# KiCad board Mun.kicad_pcb (continued)
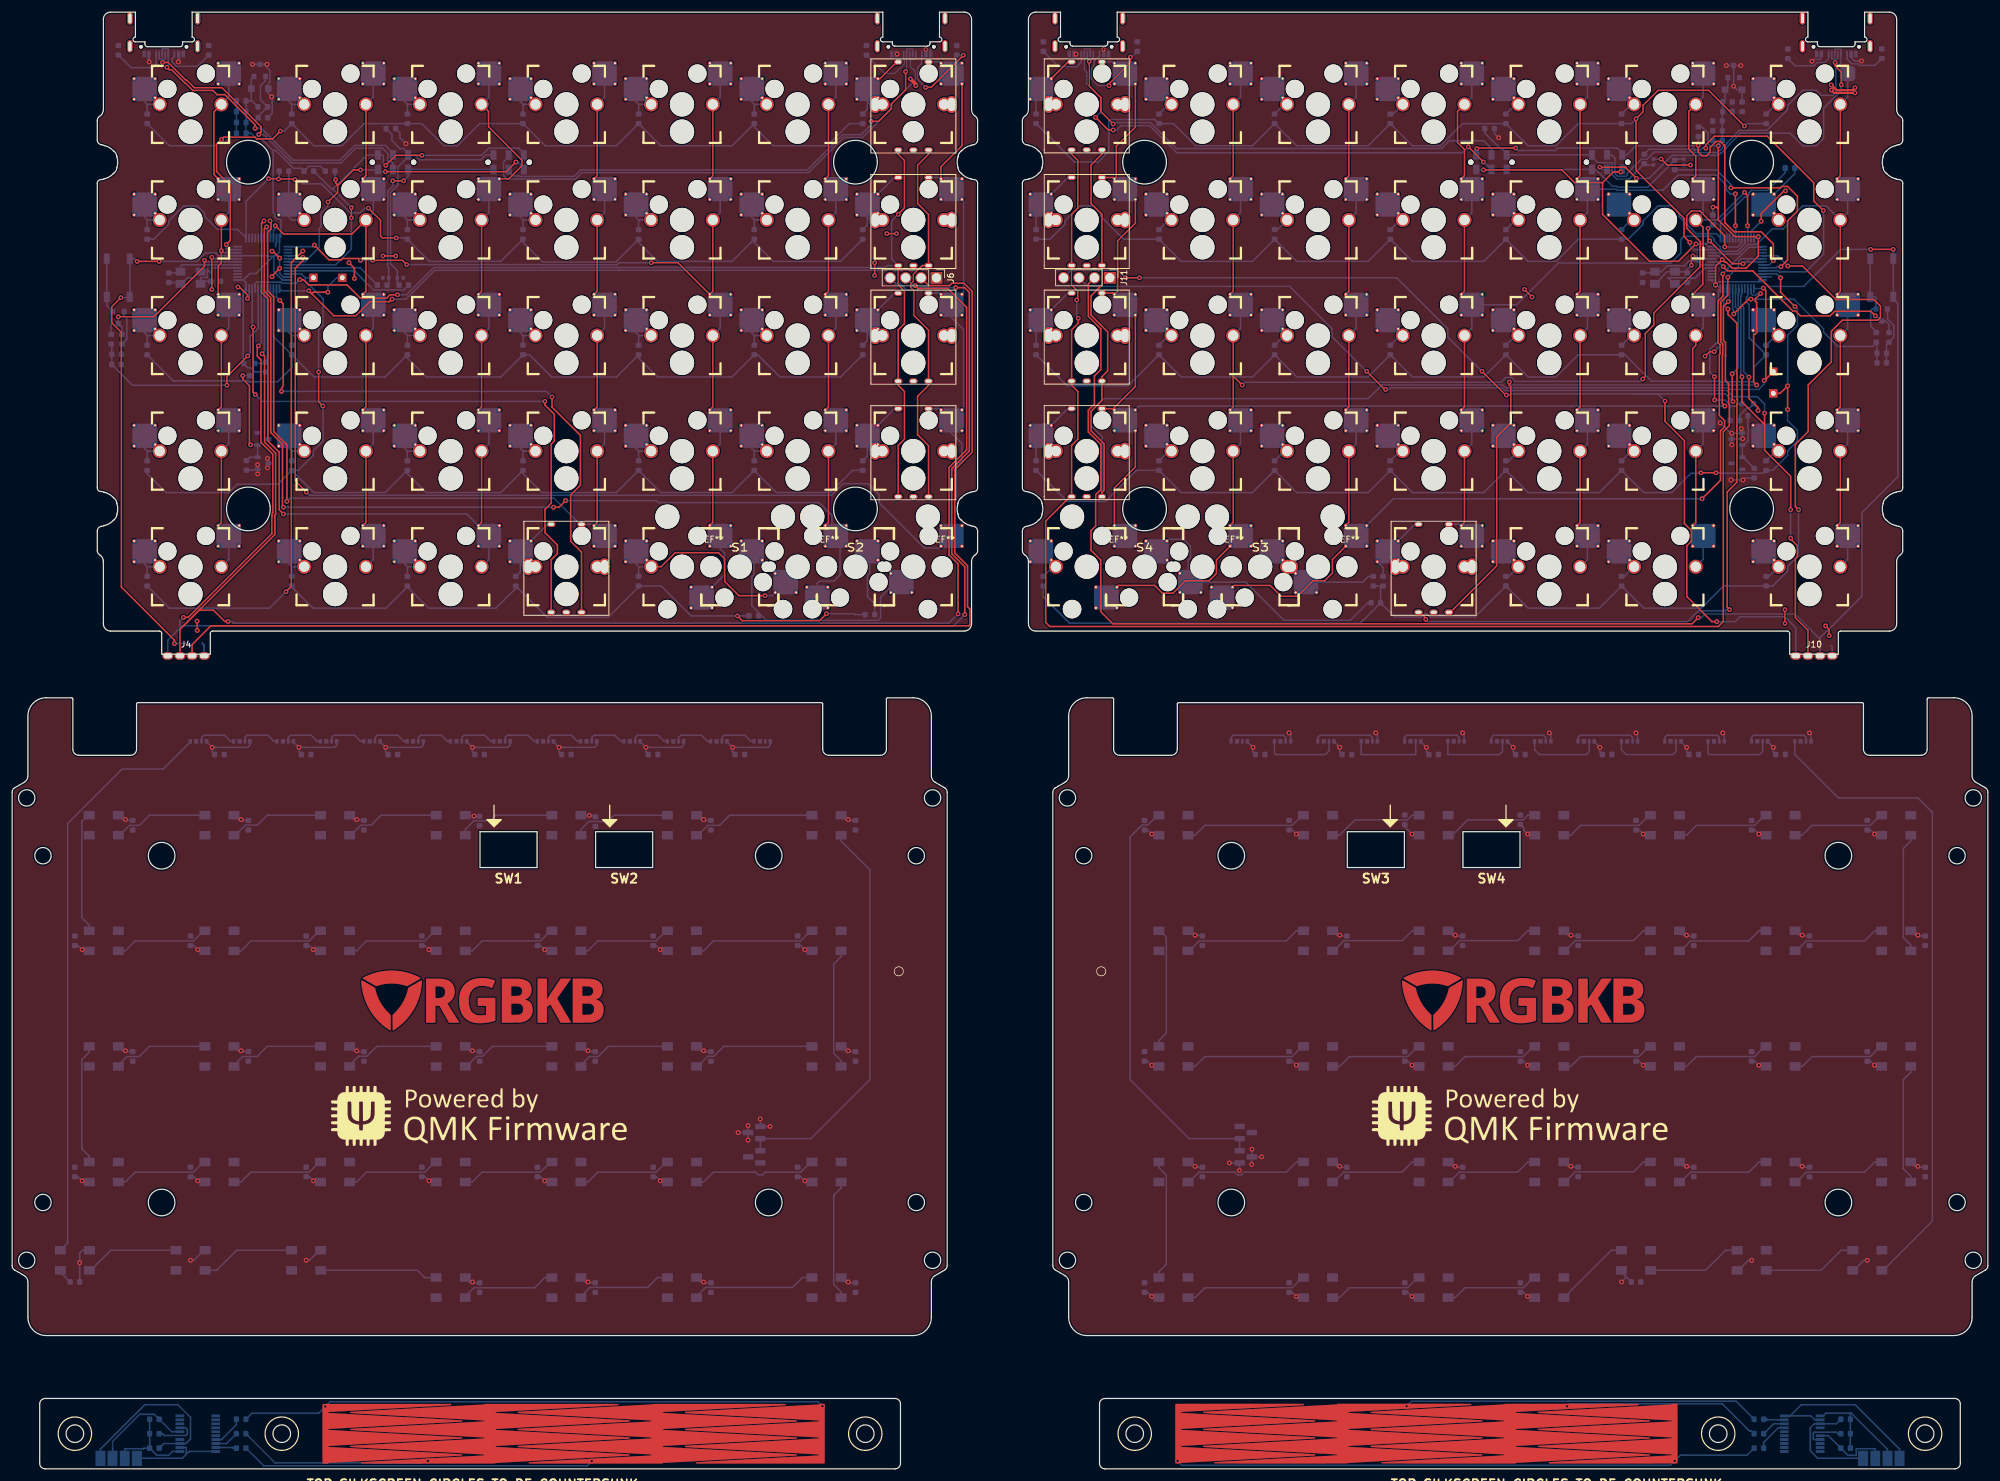
[diagram p0: board, top side]
## Placement (name value [footprint] x y rotation side) (continued)
Q1  DTC123J  [SOT-23]  17.5 189.74 270 bottom
Q2  DTC123J  [SOT-23]  307.99 190.15 270 bottom
Q3  BSS138  [SOT-23]  39.09 181.18 270 bottom
Q4  BSS138  [SOT-23]  285.94 174.55 270 bottom
R1  5.1k  [R_0603_1608Metric]  32.38 233.79 270 bottom
R2  5.1k  [R_0603_1608Metric]  17.5 233.79 90 bottom
R3  5.1k  [R_0603_1608Metric]  155.61 233.79 270 bottom
R4  5.1k  [R_0603_1608Metric]  140.73 233.79 90 bottom
R5  100k  [R_0603_1608Metric]  17.2 182 180 bottom
R6  22  [R_0603_1608Metric]  60.96 195.1 180 bottom
R7  22  [R_0603_1608Metric]  64.53 195.1 0 bottom
R8  5.1k  [R_0603_1608Metric]  185.36 234.4 270 bottom
R9  5.1k  [R_0603_1608Metric]  169.88 234.4 90 bottom
R10  5.1k  [R_0603_1608Metric]  307.99 233.21 270 bottom
R11  5.1k  [R_0603_1608Metric]  292.52 233.21 90 bottom
R12  100k  [R_0603_1608Metric]  307.99 183.88 180 bottom
R13  22  [R_0603_1608Metric]  273.89 214.88 270 bottom
R14  22  [R_0603_1608Metric]  268.89 215.88 90 bottom
R15  4.7kR  [C_0603_1608Metric]  37.72 3.42 0 bottom
R16  4.7kR  [C_0603_1608Metric]  287.75 8.18 180 bottom
R17  4.7kR  [C_0603_1608Metric]  37.72 5.8 0 bottom
R18  4.7kR  [C_0603_1608Metric]  287.75 5.8 180 bottom
R19  4.7kR  [C_0603_1608Metric]  37.72 8.18 0 bottom
R20  4.7kR  [C_0603_1608Metric]  287.75 3.42 180 bottom
R21  4.7kR  [C_0603_1608Metric]  23.43 8.18 180 bottom
R22  4.7kR  [C_0603_1608Metric]  302.04 3.42 0 bottom
R23  4.7kR  [C_0603_1608Metric]  23.43 3.42 180 bottom
R24  4.7kR  [C_0603_1608Metric]  23.43 5.8 0 bottom
R25  4.7kR  [C_0603_1608Metric]  302.04 8.18 0 bottom
R26  4.7kR  [C_0603_1608Metric]  302.04 5.8 180 bottom
R27  4.7kR  [C_0603_1608Metric]  52.39 213.88 180 bottom
R28  4.7kR  [C_0603_1608Metric]  48.89 213.88 180 bottom
R29  1.5k  [R_0603_1608Metric]  62.39 220.88 180 bottom
R30  1.5k  [R_0603_1608Metric]  243.39 220.88 180 bottom
R31  10kR  [C_0603_1608Metric]  41.79 181.58 90 bottom
R32  10kR  [C_0603_1608Metric]  38.59 165.38 90 bottom
R33  10kR  [C_0603_1608Metric]  283.79 172.78 0 bottom
R34  10kR  [C_0603_1608Metric]  286.99 164.1 90 bottom
R35  4.7kR  [C_0603_1608Metric]  280.19 205.83 90 bottom
R36  4.7kR  [C_0603_1608Metric]  277.79 220.38 90 bottom
REF**  -  [MountingHole_3.5mm]  153.21 148.67 0 top
REF**#2  -  [MountingHole_3.5mm]  134.16 148.67 0 top
REF**#3  -  [MountingHole_3.5mm]  115.11 148.67 0 top
REF**#4  -  [MountingHole_3.5mm]  181.79 148.67 0 top
REF**#5  -  [MountingHole_3.5mm]  200.84 148.67 0 top
REF**#6  -  [MountingHole_3.5mm]  219.89 148.67 0 top
S1  2Ustabilizer  [STAB_PCB_200H]  119.87 148.67 180 top
S2  2Ustabilizer  [STAB_PCB_200H]  138.92 148.67 180 top
S3  2Ustabilizer  [STAB_PCB_200H]  205.6 148.68 180 top
S4  2Ustabilizer  [STAB_PCB_200H]  186.55 148.68 180 top
SW1  JS202011JAQN  [DPDT-SM]  81.79 215.34 0 bottom
SW2  JS202011JAQN  [DPDT-SM]  62.74 215.34 0 bottom
SW3  TS5215A  [SW_SPST_TL3342]  17.48 196.3 90 bottom
SW4  TS5215A  [SW_SPST_TL3342]  307.99 196.3 90 bottom
SW5  JS202011JAQN  [DPDT-SM]  262.75 215.35 0 bottom
SW6  JS202011JAQN  [DPDT-SM]  243.7 215.35 0 bottom
U1  MCP1700-3302E_SOT23  [SOT-23]  40.79 230.48 90 bottom
U2  STM32F303CCT6  [LQFP-48_7x7mm_P0.5mm]  41.29 198.68 0 bottom
U3  MCP1700-3302E_SOT23  [SOT-23]  283.59 230.28 90 bottom
U4  STM32F303CCT6  [LQFP-48_7x7mm_P0.5mm]  284.18 198.68 0 bottom
Y1  8MHz  [Crystal_SMD_5032-4Pin_5.0x3.2mm]  29.39 196.3 0 bottom
Y2  8MHz  [Crystal_SMD_5032-4Pin_5.0x3.2mm]  272.27 196.3 0 bottom

## Footprints (pads in the part's own frame, mm; a bottom-side part is the same pattern mirrored in y, then rotated)
00-9188-006pads
  rect 0.9x1.7 smd: 1(-3,-1) 2(-2,1) 3(-1,-1) 4(1,-1) 5(2,1) 6(3,-1)
00-9188-006spring
  rect 0.6x1 smd: 1(-3,-0.85) 2(-2,0.95) 3(-1,-0.85) 4(1,-0.85) 5(2,0.95) 6(3,-0.85)
472861001
  rect 2.5x1.65 smd: 1(-2.04,3) 2(-2.04,1) 3(-2.04,-1) 4(-2.04,-3)
C_0603_1608Metric
  rrect 0.875x0.95 smd: 1(-0.787,0) 2(0.787,0)
Crystal_SMD_5032-4Pin_5.0x3.2mm
  rect 1.6x1.3 smd: 1(-1.65,-1) 2(1.65,-1) 3(1.65,1) 4(-1.65,1)
D_0402_1005Metric
  rrect 0.59x0.64 smd: 1(-0.485,0) 2(0.485,0)
D_0603_1608Metric
  rrect 0.875x0.95 smd: 1(-0.787,0) 2(0.787,0)
D_SOD-123F
  rect 1.1x1.1 smd: 1(-1.4,0) 2(1.4,0)
DPDT-SM
  round 0.9 hole 0.9 unplated: (-3.4,0) (3.4,0)
  rect 1x1.6 smd: 1(-2.5,1.2) 2(0,1.2) 3(2.5,1.2) 4(-2.5,-1.2) 5(0,-1.2) 6(2.5,-1.2)
encoder
  oval 2.8x1.8 hole 2.2x1.2: 0(0,6.3) 0(0,-6.3)
  oval 0.9x1.4 hole 0.5x1: 1(7.5,-2.5) 2(7.5,2.5) 3(7.5,0) 4(-7,2.5) 5(-7,-2.5)
HRO-TYPE-C-31-M-14
  oval 0.9x2.05 hole 0.5x1.65: (-5.575,-4.68) (-5.575,-0.08) (5.575,-4.68) (5.575,-0.08)
  round 0.6 hole 0.6 unplated: (-3.75,0) (3.75,0)
  rect 0.3x1.1 smd: (-1.75,1.2) (1.25,1.2) A1(-3.35,1.2) A5(-1.25,1.2) A6(-0.25,1.2) A7(0.25,1.2) A12(3.35,1.2) B4(2.3,1.2) B5(1.75,1.2) B6(0.75,1.2) B7(-0.75,1.2) B9(-2.3,1.2)
  rect 0.275x1.1 smd: A4(-2.587,1.2) A9(2.587,1.2) B1(3.062,1.2) B12(-3.062,1.2)
Landingpad_Horizontal_1x4
  oval 1.8x1.2 hole 1.4x0.8: 1(-3,-0.4) 2(-1,-0.4) 3(1,-0.4) 4(3,-0.4)
LQFP-48_7x7mm_P0.5mm
  rrect 1.475x0.3 smd: 1(-4.162,2.75) 2(-4.162,2.25) 3(-4.162,1.75) 4(-4.162,1.25) 5(-4.162,0.75) 6(-4.162,0.25) 7(-4.162,-0.25) 8(-4.162,-0.75) 9(-4.162,-1.25) 10(-4.162,-1.75) 11(-4.162,-2.25) 12(-4.162,-2.75) 25(4.162,-2.75) 26(4.162,-2.25) 27(4.162,-1.75) 28(4.162,-1.25) 29(4.162,-0.75) 30(4.162,-0.25) 31(4.162,0.25) 32(4.162,0.75) 33(4.162,1.25) 34(4.162,1.75) 35(4.162,2.25) 36(4.162,2.75)
  rrect 0.3x1.475 smd: 13(-2.75,-4.162) 14(-2.25,-4.162) 15(-1.75,-4.162) 16(-1.25,-4.162) 17(-0.75,-4.162) 18(-0.25,-4.162) 19(0.25,-4.162) 20(0.75,-4.162) 21(1.25,-4.162) 22(1.75,-4.162) 23(2.25,-4.162) 24(2.75,-4.162) 37(2.75,4.162) 38(2.25,4.162) 39(1.75,4.162) 40(1.25,4.162) 41(0.75,4.162) 42(0.25,4.162) 43(-0.25,4.162) 44(-0.75,4.162) 45(-1.25,4.162) 46(-1.75,4.162) 47(-2.25,4.162) 48(-2.75,4.162)
MountingHole_3.5mm
  round 3.5 hole 3.5 unplated: (0,0)
Mx_100_HS
  rrect 2.55x2.5 smd: (-6.29,5.08) (7.56,2.54)
  round 3 hole 3 unplated: (-2.54,5.08) (3.81,2.54)
  round 4 hole 4 unplated: (0,-4.5)
  round 3.988 hole 3.988 unplated: (0,0)
  round 2.302 hole 1.702: 1(5.08,0) 2(-5.08,0)
  round 0.6 hole 0.3: 1(5.832,1.102) 1(5.837,4.242) 1(9.286,0.838) 1(9.286,4.242) 2(-8.016,3.378) 2(-8.016,6.782) 2(-4.567,3.378) 2(-4.567,6.782)
  rrect 4.05x4 smd: 1(7.56,2.54) 2(-6.29,5.08)
Mx_100_HS#6
  rrect 2.55x2.5 smd: (-6.29,5.08) (7.56,2.54)
  round 3 hole 3 unplated: (-2.54,5.08) (3.81,2.54)
  round 3.5 hole 3.5 unplated: (0,-4.5)
  round 3.988 hole 3.988 unplated: (0,0)
  round 2.302 hole 1.702: 1(5.08,0) 2(-5.08,0)
  round 0.6 hole 0.3: 1(5.832,1.102) 1(5.837,4.242) 1(9.286,0.838) 1(9.286,4.242) 2(-8.016,3.378) 2(-8.016,6.782) 2(-4.567,3.378) 2(-4.567,6.782)
  rrect 4.05x4 smd: 1(7.56,2.54) 2(-6.29,5.08)
Mx_100_HS#2
  rrect 2.55x2.5 smd: (-6.29,5.08) (7.56,2.54)
  round 2.302 hole 1.702: (-5.08,0) 1(5.08,0)
  round 3 hole 3 unplated: (-2.54,5.08) (3.81,2.54)
  round 3.5 hole 3.5 unplated: (0,-4.5)
  round 3.988 hole 3.988 unplated: (0,0)
  round 0.6 hole 0.3: 1(5.832,1.102) 1(5.837,4.242) 1(9.286,0.838) 1(9.286,4.242) 2(-8.016,3.378) 2(-8.016,6.782) 2(-4.567,3.378) 2(-4.567,6.782)
  rrect 4.05x4 smd: 1(7.56,2.54) 2(-6.29,5.08)
Mx_100_HS#7
  rrect 2.55x2.5 smd: (-6.29,5.08) (7.56,2.54)
  round 2.302 hole 1.702: (-5.08,0) 1(5.08,0)
  round 3 hole 3 unplated: (-2.54,5.08) (3.81,2.54)
  round 4 hole 4 unplated: (0,-4.5)
  round 3.988 hole 3.988 unplated: (0,0)
  round 0.6 hole 0.3: 1(5.832,1.102) 1(5.837,4.242) 1(9.286,0.838) 1(9.286,4.242) 2(-8.016,3.378) 2(-8.016,6.782) 2(-4.567,3.378) 2(-4.567,6.782)
  rrect 4.05x4 smd: 1(7.56,2.54) 2(-6.29,5.08)
Mx_100_HS#8
  rrect 2.55x2.5 smd: (-6.29,5.08) (7.56,2.54)
  round 1 smd: (-5.08,0) (0,-4.5)
  round 3 hole 3 unplated: (-2.54,5.08) (3.81,2.54)
  round 3.988 hole 3.988 unplated: (0,0)
  round 2.302 hole 1.702: 1(5.08,0)
  round 0.6 hole 0.3: 1(5.832,1.102) 1(5.837,4.242) 1(9.286,0.838) 1(9.286,4.242) 2(-8.016,3.378) 2(-8.016,6.782) 2(-4.567,3.378) 2(-4.567,6.782)
  rrect 4.05x4 smd: 1(7.56,2.54) 2(-6.29,5.08)
Mx_100_HS#3
  rrect 2.55x2.5 smd: (-6.29,5.08) (7.56,2.54)
  round 1 smd: (-5.08,0) (-0.635,-3.8)
  round 3 hole 3 unplated: (-2.54,5.08) (3.81,2.54)
  round 3.988 hole 3.988 unplated: (0,0)
  round 1.702 hole 1.702 unplated: (5.08,0)
  round 0.6 hole 0.3: 1(5.832,1.102) 1(5.837,4.242) 1(9.286,0.838) 1(9.286,4.242) 2(-8.016,3.378) 2(-8.016,6.782) 2(-4.567,3.378) 2(-4.567,6.782)
  rrect 4.05x4 smd: 1(7.56,2.54) 2(-6.29,5.08)
Mx_100_HS#4
  rrect 2.55x2.5 smd: (-6.29,5.08) (7.56,2.54)
  round 1 smd: (-5.08,0) (0,-4.5)
  round 3 hole 3 unplated: (-2.54,5.08) (3.81,2.54)
  round 3.988 hole 3.988 unplated: (0,0)
  round 1.702 hole 1.702 unplated: (5.08,0)
  round 0.6 hole 0.3: 1(5.832,1.102) 1(5.837,4.242) 1(9.286,0.838) 1(9.286,4.242) 2(-8.016,3.378) 2(-8.016,6.782) 2(-4.567,3.378) 2(-4.567,6.782)
  rrect 4.05x4 smd: 1(7.56,2.54) 2(-6.29,5.08)
Mx_100_HS#5
  round 0.6 smd: (-8.016,3.378) (-8.016,6.782) (-4.567,3.378) (-4.567,6.782)
  rrect 4.05x4 smd: (-6.29,5.08) 1(7.56,2.54)
  round 3 hole 3 unplated: (-2.54,5.08) (3.81,2.54)
  round 4 hole 4 unplated: (0,-4.5)
  round 3.988 hole 3.988 unplated: (0,0)
  rrect 2.55x2.5 smd: (7.56,2.54) 2(-6.29,5.08)
  round 2.302 hole 1.702: 1(5.08,0) 2(-5.08,0)
  round 0.6 hole 0.3: 1(5.832,1.102) 1(5.837,4.242) 1(9.286,0.838) 1(9.286,4.242)
PinHeader_1x01_P2.00mm_Vertical
  rect 1.35x1.35 hole 0.8: 1(0,0)
PinHeader_1x04_P2.54mm_Vertical
  rect 1.9x1.9 hole 1.5: 1(0,0)
  round 1.9 hole 1.5: 2(0,-2.54) 3(0,-5.08) 4(0,-7.62)
R_0603_1608Metric
  rrect 0.875x0.95 smd: 1(-0.787,0) 2(0.787,0)
SK6812-SIDE
  rect 0.7x0.75 smd: 1(0.25,-0.197)
  rect 0.45x0.75 smd: 2(-0.624,-0.197)
  rect 0.6x0.75 smd: 3(-1.45,-0.197)
  rect 0.55x0.75 smd: 4(1.225,-0.197)
SOT-23
  rect 0.9x0.8 smd: 1(-1,0.95) 2(-1,-0.95) 3(1,0)
STAB_PCB_200H
  round 3.048 hole 3.048 unplated: (-11.938,6.985) (11.938,6.985)
  round 3.988 hole 3.988 unplated: (-11.938,-8.255) (11.938,-8.255)
SW_SPST_TL3342
  rect 1.7x1 smd: 1(-3.15,1.9) 1(3.15,1.9) 2(-3.15,-1.9) 2(3.15,-1.9)
TSSOP-20_4.4x6.5mm_P0.65mm
  rect 1.45x0.45 smd: (2.95,-0.325) 1(-2.95,2.925) 2(-2.95,2.275) 3(-2.95,1.625) 4(-2.95,0.975) 5(-2.95,0.325) 6(-2.95,-0.325) 7(-2.95,-0.975) 8(-2.95,-1.625) 9(-2.95,-2.275) 10(-2.95,-2.925) 11(2.95,-2.925) 12(2.95,-2.275) 13(2.95,-1.625) 14(2.95,-0.975) 16(2.95,0.325) 17(2.95,0.975) 18(2.95,1.625) 19(2.95,2.275) 20(2.95,2.925)
WS2812B
  rect 1.4x1.8 smd: 1(1.65,2.4) 2(-1.65,2.4) 3(-1.65,-2.4) 4(1.65,-2.4)

## Nets
/3.3VL: C2.2 C3.2 C4.2 C5.2 C6.2 DS4.2 J4.3 J6.2 J15.2 J17.11 Q3.1 R21.2 R23.2 R24.1 R27.2 R28.2 R31.1 SW3.1 U1.2 U2.1 U2.9 U2.24 U2.36 U2.48
/3.3VR: C55.2 C57.2 C58.2 C59.2 C60.2 DS2.2 J10.3 J11.2 J16.2 J18.11 Q4.1 R22.2 R25.2 R26.1 R33.1 R35.2 R36.2 SW4.1 U3.2 U4.1 U4.9 U4.24 U4.36 U4.48
/5VL: C1.2 C11.2 C12.2 C13.2 C14.2 C15.2 C16.2 C17.2 C18.2 C19.2 C20.2 C21.2 C22.2 C23.2 C24.2 C25.2 C26.2 C27.2 C28.2 C29.2 C30.2 C31.2 C32.2 C33.2 C34.2 C35.2 C36.2 C37.2 C38.2 C39.2 C40.2 C41.2 C42.2 C43.2 C44.2 C45.2 C46.2 C47.2 C50.2 C51.2 C52.2 DS4.1 J1.A4 J1.A9 J1.B4 J1.B9 J2.A4 J2.A9 J2.B4 J2.B9 J5.1 J5.2 J7.5 J7.6 LED1.1 LED2.1 LED3.1 LED4.1 LED5.1 LED6.1 LED7.1 LED8.1 LED9.1 LED10.1 LED11.1 LED12.1 LED13.1 LED14.1 LED15.1 LED16.1 LED17.1 LED18.1 LED19.1 LED20.1 LED21.1 LED22.1 LED23.1 LED24.1 LED25.1 LED26.1 LED27.1 LED28.1 LED29.1 LED30.1 LED31.1 LED32.1 LED33.1 LED34.1 LED35.1 LED36.1 LED37.1 LED38.1 LED39.1 LED40.1 LED41.1 LED42.1 LED43.1 LED44.1 LED45.1 LED46.1 LED47.1 LED48.1 LED49.1 R29.1 R32.1 U1.3
/5VR: C54.2 C63.2 C64.2 C65.2 C66.2 C67.2 C68.2 C69.2 C70.2 C71.2 C72.2 C73.2 C74.2 C75.2 C76.2 C77.2 C78.2 C79.2 C80.2 C81.2 C82.2 C83.2 C84.2 C85.2 C86.2 C87.2 C88.2 C89.2 C90.2 C91.2 C92.2 C93.2 C94.2 C97.2 C98.2 C99.2 C100.2 C101.2 C102.2 C103.2 C104.2 DS2.1 J8.A4 J8.A9 J8.B4 J8.B9 J9.A4 J9.A9 J9.B4 J9.B9 J12.1 J12.2 J13.5 J13.6 LED50.1 LED51.1 LED52.1 LED53.1 LED54.1 LED55.1 LED56.1 LED57.1 LED58.1 LED59.1 LED60.1 LED61.1 LED62.1 LED63.1 LED64.1 LED65.1 LED66.1 LED67.1 LED68.1 LED69.1 LED70.1 LED71.1 LED72.1 LED73.1 LED74.1 LED75.1 LED76.1 LED77.1 LED78.1 LED79.1 LED80.1 LED81.1 LED82.1 LED83.1 LED84.1 LED85.1 LED86.1 LED87.1 LED88.1 LED89.1 LED90.1 LED91.1 LED92.1 LED93.1 LED94.1 LED95.1 LED96.1 LED97.1 LED98.1 R30.1 R34.1 U3.3
/GNDL: C1.1 C2.1 C3.1 C4.1 C5.1 C6.1 C7.2 C8.2 C9.2 C10.2 C11.1 C12.1 C13.1 C14.1 C15.1 C16.1 C17.1 C18.1 C19.1 C20.1 C21.1 C22.1 C23.1 C24.1 C25.1 C26.1 C27.1 C28.1 C29.1 C30.1 C31.1 C32.1 C33.1 C34.1 C35.1 C36.1 C37.1 C38.1 C39.1 C40.1 C41.1 C42.1 C43.1 C44.1 C45.1 C46.1 C47.1 C50.1 C51.1 C52.1 DS5.2 DS6.2 E1.3 E2.3 E3.3 E4.3 E5.3 J1.A1 J1.A12 J1.B1 J1.B12 J2.A1 J2.A12 J2.B1 J2.B12 J4.4 J5.5 J5.6 J6.1 J7.1 J7.2 J15.1 J17.10 J17.12 LED1.3 LED2.3 LED3.3 LED4.3 LED5.3 LED6.3 LED7.3 LED8.3 LED9.3 LED10.3 LED11.3 LED12.3 LED13.3 LED14.3 LED15.3 LED16.3 LED17.3 LED18.3 LED19.3 LED20.3 LED21.3 LED22.3 LED23.3 LED24.3 LED25.3 LED26.3 LED27.3 LED28.3 LED29.3 LED30.3 LED31.3 LED32.3 LED33.3 LED34.3 LED35.3 LED36.3 LED37.3 LED38.3 LED39.3 LED40.3 LED41.3 LED42.3 LED43.3 LED44.3 LED45.3 LED46.3 LED47.3 LED48.3 LED49.3 Q1.2 R1.1 R2.2 R3.1 R4.2 R5.1 U1.1 U2.8 U2.23 U2.35 U2.47 Y1.2 Y1.4
/GNDR: C53.2 C54.1 C55.1 C56.2 C57.1 C58.1 C59.1 C60.1 C61.2 C62.2 C63.1 C64.1 C65.1 C66.1 C67.1 C68.1 C69.1 C70.1 C71.1 C72.1 C73.1 C74.1 C75.1 C76.1 C77.1 C78.1 C79.1 C80.1 C81.1 C82.1 C83.1 C84.1 C85.1 C86.1 C87.1 C88.1 C89.1 C90.1 C91.1 C92.1 C93.1 C94.1 C97.1 C98.1 C99.1 C100.1 C101.1 C102.1 C103.1 C104.1 DS7.2 DS8.2 E6.3 E7.3 E8.3 E9.3 E10.3 J8.A1 J8.A12 J8.B1 J8.B12 J9.A1 J9.A12 J9.B1 J9.B12 J10.4 J11.1 J12.5 J12.6 J13.1 J13.2 J16.1 J18.10 J18.12 LED50.3 LED51.3 LED52.3 LED53.3 LED54.3 LED55.3 LED56.3 LED57.3 LED58.3 LED59.3 LED60.3 LED61.3 LED62.3 LED63.3 LED64.3 LED65.3 LED66.3 LED67.3 LED68.3 LED69.3 LED70.3 LED71.3 LED72.3 LED73.3 LED74.3 LED75.3 LED76.3 LED77.3 LED78.3 LED79.3 LED80.3 LED81.3 LED82.3 LED83.3 LED84.3 LED85.3 LED86.3 LED87.3 LED88.3 LED89.3 LED90.3 LED91.3 LED92.3 LED93.3 LED94.3 LED95.3 LED96.3 LED97.3 LED98.3 Q2.2 R8.1 R9.2 R10.1 R11.2 R12.1 U3.1 U4.8 U4.23 U4.35 U4.47 Y2.2 Y2.4
/AB6_LL: J1.A6 J1.B6 SW2.5
/AB6_LR: J8.A6 J8.B6 SW6.5
/AB6_RL: J2.A6 J2.B6 SW1.5
/AB6_RR: J9.A6 J9.B6 SW5.5
/AB7_LL: J1.A7 J1.B7 SW2.2
/AB7_LR: J8.A7 J8.B7 SW6.2
/AB7_RL: J2.A7 J2.B7 SW1.2
/AB7_RR: J9.A7 J9.B7 SW5.2
/col0L: K1.2 K8.2 K15.2 K22.2 K29.2 U2.10
/col0R: K36.2 K43.2 K50.2 K57.2 K64.2 U4.10
/col1L: K2.2 K9.2 K16.2 K23.2 K30.2 U2.22
/col1R: K37.2 K44.2 K51.2 K58.2 K65.2 U4.22
/col2L: K3.2 K10.2 K17.2 K24.2 K31.2 U2.18
/col2R: K38.2 K45.2 K52.2 K59.2 K66.2 U4.18
/col3L: E5.4 K4.2 K11.2 K18.2 K25.2 K32.2 U2.21
/col3R: E10.4 K39.2 K46.2 K53.2 K60.2 K67.2 U4.21
/col4L: K5.2 K12.2 K19.2 K26.2 K33.2 K71.2 U2.25
/col4R: K40.2 K47.2 K54.2 K61.2 K68.2 K73.2 U4.25
/col5L: K6.2 K13.2 K20.2 K27.2 K34.2 K72.2 U2.20
/col5R: K41.2 K48.2 K55.2 K62.2 K69.2 K74.2 U4.20
/col6L: E1.4 E2.4 E3.4 E4.4 K7.2 K14.2 K21.2 K28.2 K35.2 U2.29
/col6R: E6.4 E7.4 E8.4 E9.4 K42.2 K49.2 K56.2 K63.2 K70.2 U4.29
/CS0L: R15.2
/CS0R: R16.2
/CS1L: R17.2
/CS1R: R18.2
/CS2L: R19.2
/CS2R: R20.2
/D+L: DS6.1 R7.1 R29.2 SW1.4 SW2.6
/D+R: DS8.1 R14.1 R30.2 SW5.4 SW6.6
/D-L: DS5.1 R6.1 SW1.1 SW2.3
/D-R: DS7.1 R13.1 SW5.1 SW6.3
/enc_1AL: E1.1 E2.1 E3.1 E4.1 U2.45
/enc_1AR: E6.1 E7.1 E8.1 E9.1 U4.45
/enc_1BL: E1.2 E2.2 E3.2 E4.2 J22.1 U2.37
/enc_1BR: E6.2 E7.2 E8.2 E9.2 J21.1 U4.37
/enc_2AL: E5.1 U2.46
/enc_2AR: E10.1 U4.46
/enc_2BL: E5.2 U2.38
/enc_2BR: E10.2 U4.38
/k7L: D7.2 E1.5 K7.1
/k14L: D14.2 E2.5 K14.1
/k21L: D21.2 E3.5 K21.1
/k28L: D28.2 E4.5 K28.1
/k32L: D32.2 E5.5 K32.1
/k33L: D33.2 K33.1 K71.1
/k34L: D34.2 K34.1 K72.1
/k42R: D42.2 E6.5 K42.1
/k49R: D49.2 E7.5 K49.1
/k56R: D56.2 E8.5 K56.1
/k63R: D63.2 E9.5 K63.1
/k67R: D67.2 E10.5 K67.1
/k68R: D68.2 K68.1 K73.1
/k69R: D69.2 K69.1 K74.1
/PB4L_3.3V: U2.40
/PB4R_3.3V: U4.40
/RGBL_3.3V: Q3.2 R31.2 U2.41
/RGBLI: J7.3 J7.4 LED1.4
/RGBLO: J5.3 J5.4 Q3.3 R32.2
/RGBR_3.3V: Q4.2 R33.2 U4.41
/RGBRI: J13.3 J13.4 LED50.4
/RGBRO: J12.3 J12.4 Q4.3 R34.2
/row0L: D1.1 D2.1 D3.1 D4.1 D5.1 D6.1 D7.1 U2.11
/row0R: D36.1 D37.1 D38.1 D39.1 D40.1 D41.1 D42.1 U4.11
/row1L: D8.1 D9.1 D10.1 D11.1 D12.1 D13.1 D14.1 U2.13
/row1R: D43.1 D44.1 D45.1 D46.1 D47.1 D48.1 D49.1 U4.13
/row2L: D15.1 D16.1 D17.1 D18.1 D19.1 D20.1 D21.1 U2.39
/row2R: D50.1 D51.1 D52.1 D53.1 D54.1 D55.1 D56.1 U4.39
/row3L: D22.1 D23.1 D24.1 D25.1 D26.1 D27.1 D28.1 J20.1 U2.34
/row3R: D57.1 D58.1 D59.1 D60.1 D61.1 D62.1 D63.1 J19.1 U4.34
/row4L: D29.1 D30.1 D31.1 D32.1 D33.1 D34.1 D35.1 U2.28
/row4R: D64.1 D65.1 D66.1 D67.1 D68.1 D69.1 D70.1 U4.28
/SCL1L_3.3V: J4.2 J6.3 U2.42
/SCL1R_3.3V: J10.2 J11.3 U4.42
/SCL2L: R27.1 SW1.3 SW2.1 U2.30
/SCL2R: R35.1 SW5.3 SW6.1 U4.30
/SCL-TBL: J15.3 J17.16 R21.1
/SCL-TBR: J16.3 J18.16 R22.1
/SDA1L_3.3V: J4.1 J6.4 U2.43
/SDA1R_3.3V: J10.1 J11.4 U4.43
/SDA2L: R28.1 SW1.6 SW2.4 U2.31
/SDA2R: R36.1 SW5.6 SW6.4 U4.31
/SDA-TBL: J15.4 J17.13 R23.1
/SDA-TBR: J16.4 J18.13 R25.1
/XTAL1L: C8.1 U2.5 Y1.3
/XTAL1R: C62.1 U4.5 Y2.3
/XTAL2L: C7.1 U2.6 Y1.1
/XTAL2R: C61.1 U4.6 Y2.1
Net-(C9-Pad1): C9.1 Q1.3 U2.7
Net-(C10-Pad1): C10.1 D71.1 R5.2 U2.44
Net-(C53-Pad1): C53.1 Q2.3 U4.7
Net-(C56-Pad1): C56.1 D72.1 R12.2 U4.44
Net-(D1-Pad2): D1.2 K1.1
Net-(D2-Pad2): D2.2 K2.1
Net-(D3-Pad2): D3.2 K3.1
Net-(D4-Pad2): D4.2 K4.1
Net-(D5-Pad2): D5.2 K5.1
Net-(D6-Pad2): D6.2 K6.1
Net-(D8-Pad2): D8.2 K8.1
Net-(D9-Pad2): D9.2 K9.1
Net-(D10-Pad2): D10.2 K10.1
Net-(D11-Pad2): D11.2 K11.1
Net-(D12-Pad2): D12.2 K12.1
Net-(D13-Pad2): D13.2 K13.1
Net-(D15-Pad2): D15.2 K15.1
Net-(D16-Pad2): D16.2 K16.1
Net-(D17-Pad2): D17.2 K17.1
Net-(D18-Pad2): D18.2 K18.1
Net-(D19-Pad2): D19.2 K19.1
Net-(D20-Pad2): D20.2 K20.1
Net-(D22-Pad2): D22.2 K22.1
Net-(D23-Pad2): D23.2 K23.1
Net-(D24-Pad2): D24.2 K24.1
Net-(D25-Pad2): D25.2 K25.1
Net-(D26-Pad2): D26.2 K26.1
Net-(D27-Pad2): D27.2 K27.1
Net-(D29-Pad2): D29.2 K29.1
Net-(D30-Pad2): D30.2 K30.1
Net-(D31-Pad2): D31.2 K31.1
Net-(D35-Pad2): D35.2 K35.1
Net-(D36-Pad2): D36.2 K36.1
Net-(D37-Pad2): D37.2 K37.1
Net-(D38-Pad2): D38.2 K38.1
Net-(D39-Pad2): D39.2 K39.1
Net-(D40-Pad2): D40.2 K40.1
Net-(D41-Pad2): D41.2 K41.1
Net-(D43-Pad2): D43.2 K43.1
Net-(D44-Pad2): D44.2 K44.1
Net-(D45-Pad2): D45.2 K45.1
Net-(D46-Pad2): D46.2 K46.1
Net-(D47-Pad2): D47.2 K47.1
Net-(D48-Pad2): D48.2 K48.1
Net-(D50-Pad2): D50.2 K50.1
Net-(D51-Pad2): D51.2 K51.1
Net-(D52-Pad2): D52.2 K52.1
Net-(D53-Pad2): D53.2 K53.1
Net-(D54-Pad2): D54.2 K54.1
Net-(D55-Pad2): D55.2 K55.1
Net-(D57-Pad2): D57.2 K57.1
Net-(D58-Pad2): D58.2 K58.1
Net-(D59-Pad2): D59.2 K59.1
Net-(D60-Pad2): D60.2 K60.1
Net-(D61-Pad2): D61.2 K61.1
Net-(D62-Pad2): D62.2 K62.1
Net-(D64-Pad2): D64.2 K64.1
Net-(D65-Pad2): D65.2 K65.1
Net-(D66-Pad2): D66.2 K66.1
Net-(D70-Pad2): D70.2 K70.1
Net-(D71-Pad2): D71.2 Q1.1 SW3.2
Net-(D72-Pad2): D72.2 Q2.1 SW4.2
Net-(J1-PadA5): J1.A5 R2.1
Net-(J1-PadB5): J1.B5 R1.2
Net-(J2-PadA5): J2.A5 R4.1
Net-(J2-PadB5): J2.B5 R3.2
Net-(J8-PadA5): J8.A5 R9.1
Net-(J8-PadB5): J8.B5 R8.2
Net-(J9-PadA5): J9.A5 R11.1
Net-(J9-PadB5): J9.B5 R10.2
Net-(J17-Pad1): J17.1
Net-(J17-Pad2): J17.2
Net-(J17-Pad3): J17.3
Net-(J17-Pad4): J17.4
Net-(J17-Pad5): J17.5
Net-(J17-Pad6): J17.6
Net-(J17-Pad7): J17.7 R19.1
Net-(J17-Pad8): J17.8 R17.1
Net-(J17-Pad9): J17.9 R15.1
Net-(J17-Pad14): J17.14
Net-(J17-Pad17): J17.17 R24.2
Net-(J17-Pad18): J17.18
Net-(J17-Pad19): J17.19
Net-(J17-Pad20): J17.20
Net-(J18-Pad1): J18.1
Net-(J18-Pad2): J18.2
Net-(J18-Pad3): J18.3
Net-(J18-Pad4): J18.4
Net-(J18-Pad5): J18.5
Net-(J18-Pad6): J18.6
Net-(J18-Pad7): J18.7 R20.1
Net-(J18-Pad8): J18.8 R18.1
Net-(J18-Pad9): J18.9 R16.1
Net-(J18-Pad14): J18.14
Net-(J18-Pad17): J18.17 R26.2
Net-(J18-Pad18): J18.18
Net-(J18-Pad19): J18.19
Net-(J18-Pad20): J18.20
Net-(LED1-Pad2): LED1.2 LED2.4
Net-(LED2-Pad2): LED2.2 LED3.4
Net-(LED3-Pad2): LED3.2 LED4.4
Net-(LED4-Pad2): LED4.2 LED5.4
Net-(LED5-Pad2): LED5.2 LED6.4
Net-(LED6-Pad2): LED6.2 LED7.4
Net-(LED7-Pad2): LED7.2 LED8.4
Net-(LED8-Pad2): LED8.2 LED9.4
Net-(LED10-Pad2): LED10.2 LED11.4
Net-(LED10-Pad4): LED9.2 LED10.4
Net-(LED11-Pad2): LED11.2 LED12.4
Net-(LED12-Pad2): LED12.2 LED13.4
Net-(LED13-Pad2): LED13.2 LED14.4
Net-(LED14-Pad2): LED14.2 LED15.4
Net-(LED15-Pad2): LED15.2 LED16.4
Net-(LED16-Pad2): LED16.2 LED17.4
Net-(LED17-Pad2): LED17.2 LED18.4
Net-(LED18-Pad2): LED18.2 LED19.4
Net-(LED19-Pad2): LED19.2 LED20.4
Net-(LED20-Pad2): LED20.2 LED21.4
Net-(LED21-Pad2): LED21.2 LED22.4
Net-(LED22-Pad2): LED22.2 LED23.4
Net-(LED23-Pad2): LED23.2 LED24.4
Net-(LED24-Pad2): LED24.2 LED25.4
Net-(LED25-Pad2): LED25.2 LED26.4
Net-(LED26-Pad2): LED26.2 LED27.4
Net-(LED27-Pad2): LED27.2 LED28.4
Net-(LED28-Pad2): LED28.2 LED29.4
Net-(LED29-Pad2): LED29.2 LED30.4
Net-(LED30-Pad2): LED30.2 LED31.4
Net-(LED31-Pad2): LED31.2 LED32.4
Net-(LED32-Pad2): LED32.2 LED33.4
Net-(LED33-Pad2): LED33.2 LED34.4
Net-(LED34-Pad2): LED34.2 LED35.4
Net-(LED35-Pad2): LED35.2 LED36.4
Net-(LED36-Pad2): LED36.2 LED37.4
Net-(LED37-Pad2): LED37.2 LED38.4
Net-(LED38-Pad2): LED38.2 LED39.4
Net-(LED39-Pad2): LED39.2 LED40.4
Net-(LED40-Pad2): LED40.2 LED41.4
Net-(LED41-Pad2): LED41.2 LED42.4
Net-(LED42-Pad2): LED42.2 LED43.4
Net-(LED43-Pad2): LED43.2 LED44.4
Net-(LED44-Pad2): LED44.2 LED45.4
Net-(LED45-Pad2): LED45.2 LED46.4
Net-(LED46-Pad2): LED46.2 LED47.4
Net-(LED47-Pad2): LED47.2 LED48.4
Net-(LED48-Pad2): LED48.2 LED49.4
Net-(LED49-Pad2): LED49.2
Net-(LED50-Pad2): LED50.2 LED51.4
Net-(LED51-Pad2): LED51.2 LED52.4
Net-(LED52-Pad2): LED52.2 LED53.4
Net-(LED53-Pad2): LED53.2 LED54.4
Net-(LED54-Pad2): LED54.2 LED55.4
Net-(LED55-Pad2): LED55.2 LED56.4
Net-(LED56-Pad2): LED56.2 LED57.4
Net-(LED57-Pad2): LED57.2 LED58.4
Net-(LED58-Pad2): LED58.2 LED59.4
Net-(LED59-Pad2): LED59.2 LED60.4
Net-(LED60-Pad2): LED60.2 LED61.4
Net-(LED61-Pad2): LED61.2 LED62.4
Net-(LED62-Pad2): LED62.2 LED63.4
Net-(LED63-Pad2): LED63.2 LED64.4
Net-(LED64-Pad2): LED64.2 LED65.4
Net-(LED65-Pad2): LED65.2 LED66.4
Net-(LED66-Pad2): LED66.2 LED67.4
Net-(LED67-Pad2): LED67.2 LED68.4
Net-(LED68-Pad2): LED68.2 LED69.4
Net-(LED69-Pad2): LED69.2 LED70.4
Net-(LED70-Pad2): LED70.2 LED71.4
Net-(LED71-Pad2): LED71.2 LED72.4
Net-(LED72-Pad2): LED72.2 LED73.4
Net-(LED73-Pad2): LED73.2 LED74.4
Net-(LED74-Pad2): LED74.2 LED75.4
Net-(LED75-Pad2): LED75.2 LED76.4
Net-(LED76-Pad2): LED76.2 LED77.4
Net-(LED77-Pad2): LED77.2 LED78.4
Net-(LED78-Pad2): LED78.2 LED79.4
Net-(LED79-Pad2): LED79.2 LED80.4
Net-(LED80-Pad2): LED80.2 LED81.4
Net-(LED81-Pad2): LED81.2 LED82.4
Net-(LED82-Pad2): LED82.2 LED83.4
Net-(LED83-Pad2): LED83.2 LED84.4
Net-(LED84-Pad2): LED84.2 LED85.4
Net-(LED85-Pad2): LED85.2 LED86.4
Net-(LED86-Pad2): LED86.2 LED87.4
Net-(LED87-Pad2): LED87.2 LED88.4
Net-(LED88-Pad2): LED88.2 LED89.4
Net-(LED89-Pad2): LED89.2 LED90.4
Net-(LED90-Pad2): LED90.2 LED91.4
Net-(LED91-Pad2): LED91.2 LED92.4
Net-(LED92-Pad2): LED92.2 LED93.4
Net-(LED93-Pad2): LED93.2 LED94.4
Net-(LED94-Pad2): LED94.2 LED95.4
Net-(LED95-Pad2): LED95.2 LED96.4
Net-(LED96-Pad2): LED96.2 LED97.4
Net-(LED97-Pad2): LED97.2 LED98.4
Net-(LED98-Pad2): LED98.2
Net-(R6-Pad2): R6.2 U2.32
Net-(R7-Pad2): R7.2 U2.33
Net-(R13-Pad2): R13.2 U4.32
Net-(R14-Pad2): R14.2 U4.33
Net-(U2-Pad2): U2.2
Net-(U2-Pad3): U2.3
Net-(U2-Pad4): U2.4
Net-(U2-Pad12): U2.12
Net-(U2-Pad14): U2.14
Net-(U2-Pad15): U2.15
Net-(U2-Pad16): U2.16
Net-(U2-Pad17): U2.17
Net-(U2-Pad19): U2.19
Net-(U2-Pad26): U2.26
Net-(U2-Pad27): U2.27
Net-(U4-Pad2): U4.2
Net-(U4-Pad3): U4.3
Net-(U4-Pad4): U4.4
Net-(U4-Pad12): U4.12
Net-(U4-Pad14): U4.14
Net-(U4-Pad15): U4.15
Net-(U4-Pad16): U4.16
Net-(U4-Pad17): U4.17
Net-(U4-Pad19): U4.19
Net-(U4-Pad26): U4.26
Net-(U4-Pad27): U4.27

Pads without a net: E1 0; E2 0; E3 0; E4 0; E5 0; E6 0; E7 0; E8 0; E9 0; E10 0

## Via types
v1: diameter 0.8, hole 0.4, Top to Bottom, 344 vias
v2: diameter 0.7, hole 0.4, Top to Bottom, 2 vias

## Routing (per net, layer and track width the routed paths; a pad name or vN(x,y) marks a point on that pad's centre or on a via; arc(x,y) is an arc through that point)
/3.3VL: length 393.1
  Top w0.25: v1(17.91,193.03) 16.41,191.53 16.41,188.88 17.99,187.29 17.99,145.33 26.74,136.59 v1(26.74,136.03) ; v1(24.21,199) v1(20.59,199) ; J6.2 151.01,195.01 154.42,195.01 154.81,195.4 156.81,195.4 158.16,194.05 158.16,167.55 155.29,164.68 155.29,150.94 157.39,148.84 157.39,142.08 157.79,141.69 157.79,139.08 157.65,138.94 32.76,138.94 32.75,138.95 29.64,135.84 29.64,133.48
  Bottom w0.25: 21.63,3.32 18.62,3.32 18.55,3.24 J15.2 ; 21.63,3.32 21.73,3.42 R23.2 ; 21.63,3.32 21.65,3.32 ; R31.1 39.99,180.79 39.3,181.48 38.79,181.48 38.14,182.13 Q3.1 38.14,182.88 38.06,182.95 38.06,192.53 ; U1.2 39.39,229.03 DS4.2 39.39,225.59 39.52,225.46 ; U2.1 38.09,195.93 ; 38.09,195.93 38.54,195.48 U2.48 38.06,194.04 38.06,192.53 ; 38.09,195.93 39.16,197 40.16,197 43.09,199.93 ; 42.99,217.27 42.99,207.08 43.29,206.77 43.29,206.36 43.61,206.04 44.02,206.04 44.29,205.78 44.29,203.09 U2.24 44.04,200.56 43.41,199.93 43.09,199.93 ; 42.99,217.27 41.07,219.18 40.28,219.18 39.36,220.1 C5.2 C6.2 C4.2 C3.2 39.52,225.46 ; 42.99,217.27 43.42,217.27 46.36,214.34 47.64,214.34 R28.2 48.9,214.68 50.8,214.68 R27.2 ; 43.09,199.93 43.09,197.36 44.44,196.01 44.54,196.01 44.62,195.93 U2.36 ; 43.09,199.93 43.01,199.85 42.24,199.85 42.16,199.93 U2.9 34.03,199.93 33.56,200.4 31.84,200.4 30.44,199 v1(24.21,199) ; 39.52,225.46 C2.2 ; R23.2 23.84,2.23 25.79,2.23 26.44,2.87 J17.11 ; R23.2 R21.2 ; v1(26.74,136.03) 28.94,136.03 29.64,135.32 29.64,133.48 ; v1(17.91,193.03) 19.26,193.03 SW3.1 ; 38.06,192.53 38.08,192.51 ; 19.4,193.14 19.4,199.44 20.15,199.44 v1(20.59,199)
/3.3VR: length 396.1
  Top w0.25: v1(309.89,200.98) v1(306.19,200.98) ; v1(281.06,218.05) 281.06,207.7 ; 281.06,207.7 281.06,205.81 283.8,203.07 v1(287.66,203.07) 287.66,199.9 285.64,197.88 283.36,197.88 282.36,198.88 282.11,198.88 v1(281.71,199.28) 280.61,198.18 v1(280.61,195.11) ; 281.06,207.7 280.97,207.7 280.75,207.93 v1(280.19,207.93) ; J11.2 177.29,195.29 177.29,189.94 179.35,187.88 179.35,181.16 178.29,180.1 178.29,175.48 177.29,174.47 177.29,170.89 179.35,168.83 179.35,161.4 178.5,160.55 178.5,155.39 177.74,154.63 177.74,151.39 179.34,149.79 179.34,141.27 181.34,139.28 276.74,139.28 v1(277.76,140.3) ; v1(280.44,180) 280.44,176.18 v1(280.46,176.15)
  Bottom w0.25: 302.97,9.2 302.83,9.06 R25.2 R22.2 ; 302.97,9.2 298.82,9.2 298.35,8.72 J18.11 ; 302.97,9.2 308.93,3.24 J16.2 ; v1(280.44,180) 279.66,180.78 279.66,184.47 281.09,185.9 281.09,194.17 U4.48 280.84,195.11 v1(280.61,195.11) ; v1(309.89,200.98) 309.89,200.97 SW4.1 SW4.1 309.89,192.8 310.64,192.05 310.64,163.5 304.73,157.59 304.73,143.82 299.01,138.1 298.94,138.1 297.83,136.99 297.83,135.25 ; U3.2 282.64,227.73 DS2.2 282.19,225.66 C57.2 C60.2 281.72,223.6 C59.2 C58.2 C55.2 281.06,218.27 v1(281.06,218.05) 279.78,218.05 279.39,218.44 279.39,220.14 278.36,221.16 R36.2 ; v1(306.19,200.98) 301.24,200.98 295.14,194.88 289.4,194.88 U4.36 288.06,195.65 281.15,195.65 v1(280.61,195.11) ; 283.19,175.15 283,174.96 R33.1 ; 283.19,175.15 283.94,175.15 284.34,175.55 Q4.1 ; 283.19,175.15 282.19,176.15 v1(280.46,176.15) ; v1(277.76,140.3) 278.32,140.3 278.91,140.89 293.68,140.89 297.83,136.73 297.83,135.25 ; 297.83,135.25 297.83,133.48 ; v1(287.66,203.07) 287.43,202.84 U4.24 ; v1(280.61,195.11) 280.02,195.7 U4.1 ; v1(281.71,199.28) 281.05,199.93 U4.9 ; R35.2 v1(280.19,207.93)
/5VL: length 30.5
  Bottom w0.2: J2.B4 150.51,233.28 150.51,234.05
  Bottom w0.25: J1.A4 22.39,232.08 v1(22.59,231.88) 22.59,233.08 J1.B9 ; v1(64.89,218.38) 63.89,219.38 63.89,220.16 R29.1 ; U1.3 v1(41.99,231.48) ; U1.3 v1(39.59,231.48) ; U1.3 41.44,231.48 42.46,230.45 42.46,228.55 42.19,228.28 DS4.1 42.19,226.68 v1(42.74,226.13) 42.84,226.02 42.84,223.41 C1.2 ; J5.1 40.44,163.98 v1(40.44,163.98) ; J5.1 40.44,165.47 v1(40.44,165.48) ; J5.1 40.31,164.59 R32.1 ; v1(42.06,166.53) 42.24,166.34 J5.2 42.24,165.16 v1(42.06,164.98) ; J1.A9 27.56,232.05 v1(27.39,231.88) 27.39,233.05 J1.B4 ; LED35.1 7.94,32.41 C50.2 ; J2.A9 J2.B4
  vias: v1(145.8,233.17) v2(150.51,233.94)
/5VR: length 32.6
  Bottom w0.2: 179.79,234.03 179.67,233.91 J8.B4 J8.A9 ; J8.B9 175.25,233.17 v1(175.26,233.15) 174.8,233.15 J8.A4
  Bottom w0.25: J12.2 285.04,169.73 v1(285.09,169.78) 285.03,169.83 J12.1 ; J12.2 283.23,168.83 v1(283.29,168.78) ; J12.2 283.23,170.62 v1(283.29,170.68) ; v1(284.84,171.43) 284.87,171.43 285.03,171.28 J12.1 ; J12.1 284.98,170.68 v1(283.29,170.68) ; v1(283.29,170.68) 283.09,170.68 v1(281.39,172.38) ; v1(283.14,162.98) v1(285.14,162.98) 285.47,163.31 R34.1 ; J9.A9 J9.B4 302.8,232.77 303.54,232.03 v1(304.66,232.03) ; U3.3 v1(284.79,231.28) ; U3.3 v1(282.39,231.28) ; U3.3 v1(283.59,227.88) 284.19,227.28 DS2.1 C54.2 ; v1(244.89,219.38) 244.17,220.09 R30.1 ; v1(296.49,231.98) 296.8,232.29 297.84,232.29 297.91,232.37 297.91,233.17 J9.B9
  vias: v2(179.79,233.94)
/GNDL: length 259.9
  Top w0.25: v1(44.06,199.55) 42.94,200.67 v1(42.81,200.67) ; v1(37.19,194.78) 37.45,194.78 38.79,193.44 v1(38.79,192.88) ; v1(61.09,199.9) v1(63.19,199.9) ; v1(44.06,197.85) 42.81,196.6 v1(42.81,196.48) ; v1(56.39,196.18) 56.39,197.88 v1(55.49,198.78) ; v1(142.09,198.78) v1(142.09,196.68) ; v1(30.49,138.18) 30.49,139.69 v1(30.47,139.71) ; v1(32.89,199.68) v1(32.89,194.38) ; v1(144.09,203.58) v1(145.69,203.58)
  Top w0.6: v1(148.89,227.98) 148.89,228.18 v1(147.99,229.08)
  Bottom w0.2: J2.B1 151.16,233.75 151.36,233.95
  Bottom w0.25: C42.1 129.92,48.14 v1(130.59,47.47) 131.56,47.47 LED28.3 ; C33.1 29.91,48.14 v1(30.58,47.47) 31.55,47.47 LED23.3 ; v1(104.4,118.91) 110.24,118.91 110.61,119.28 LED47.3 ; v1(104.4,118.91) 104.4,118.12 C51.1 ; v1(104.4,118.91) 103.46,119.84 LED46.3 ; J15.1 28.03,1.74 28.68,2.39 ; LED13.3 107.75,85.57 v1(106.78,85.57) 106.11,86.24 C23.1 ; v1(124.84,56.43) J7.1 123.26,57.66 v1(123.24,57.68) ; C20.1 48.96,86.24 v1(49.63,85.57) 50.6,85.57 LED10.3 ; v1(47.25,118.91) 47.25,118.12 C37.1 ; v1(47.25,118.91) 53.09,118.91 53.46,119.28 LED39.3 ; v1(47.25,118.91) 46.31,119.84 LED38.3 ; LED14.3 131.56,85.57 v1(130.59,85.57) 129.92,86.24 C24.1 ; 28.68,2.39 29.16,2.87 J17.10 ; 28.68,2.39 28.68,3.45 28.6,3.52 J17.12 ; v1(75.82,118.91) 75.82,118.12 C40.1 ; v1(75.82,118.91) 81.66,118.91 82.03,119.28 LED43.3 ; v1(75.82,118.91) 74.89,119.84 LED42.3 ; LED16.3 113.47,68.9 v1(113.92,68.9) 114.06,68.76 C30.1 ; C3.1 C5.1 ; C52.1 118.68,118.12 v1(118.68,118.91) ; LED31.3 94.42,30.8 v1(94.87,30.8) 95.01,30.66 C46.1 ; C29.1 95.01,68.76 v1(94.87,68.9) 94.42,68.9 LED17.3 ; C17.1 18.81,106.86 v1(18.67,107) 18.22,107 LED7.3 ; C41.1 106.11,48.14 v1(106.78,47.47) 107.75,47.47 LED27.3 ; v1(90.11,118.91) 90.11,118.12 C44.1 ; v1(90.11,118.91) 89.18,119.84 LED44.3 ; v1(90.11,118.91) 95.95,118.91 96.32,119.28 LED45.3 ; 43.39,201.38 43.39,201.85 43.54,202.01 U2.23 ; LED30.3 113.47,30.8 v1(113.92,30.8) 114.06,30.66 C45.1 ; LED22.3 12.5,47.47 v1(11.53,47.47) 10.86,48.14 C32.1 ; LED35.3 11.59,36.02 11.12,35.56 v1(11.12,33.97) C50.1 ; v1(118.68,118.91) 124.53,118.91 124.9,119.28 LED49.3 ; v1(118.68,118.91) 117.75,119.84 LED48.3 ; C13.1 95.87,107.68 v1(95.09,107.68) 95.04,107.73 LED3.3 ; LED20.3 37.27,68.9 v1(37.72,68.9) 37.86,68.76 C26.1 ; LED25.3 69.65,47.47 v1(68.68,47.47) 68.01,48.14 C35.1 ; v1(121.24,56.58) 121.26,56.56 J7.2 ; v1(38.79,192.88) 39.04,193.13 U2.47 ; LED5.3 56.32,107 v1(56.77,107) 56.91,106.86 C15.1 ; LED2.3 113.47,107 v1(113.92,107) 114.06,106.86 C12.1 ; LED40.3 60.6,119.84 v1(61.53,118.91) ; C27.1 56.91,68.76 v1(56.77,68.9) 56.32,68.9 LED19.3 ; 31.31,136.16 31.64,135.83 31.64,133.48 ; LED34.3 31.59,36.02 29.94,34.37 v1(29.39,34.37) ; C21.1 68.01,86.24 v1(68.68,85.57) 69.65,85.57 LED11.3 ; C11.1 137.87,106.86 v1(137.73,107) 137.28,107 LED1.3 ; C7.2 27.52,195.51 Y1.4 27.89,195.3 28.89,196.3 29.89,196.3 30.89,197.3 Y1.2 ; LED32.3 75.37,30.8 v1(75.82,30.8) 75.96,30.66 C47.1 ; v1(61.53,118.91) 61.53,118.12 C39.1 ; v1(61.53,118.91) 67.38,118.91 67.75,119.28 LED41.3 ; LED15.3 137.28,68.9 v1(137.73,68.9) 137.87,68.76 C31.1 ; LED24.3 50.6,47.47 v1(49.63,47.47) 48.96,48.14 C34.1 ; v1(48.44,34.37) 48.99,34.37 50.64,36.02 LED33.3 ; C43.1 137.87,30.66 v1(137.73,30.8) 137.28,30.8 LED29.3 ; C22.1 87.06,86.24 v1(87.73,85.57) 88.7,85.57 LED12.3 ; J7.2 121.26,54.19 v1(121.24,54.18) ; J7.2 v1(119.59,55.43) ; C36.1 32.96,118.12 v1(32.96,118.91) ; LED4.3 74.8,107.58 v1(76.09,107.58) 76.1,107.56 C14.1 ; U2.8 33.13,199.43 v1(32.89,199.68) ; LED26.3 88.7,47.47 v1(87.73,47.47) 87.06,48.14 C38.1 ; LED37.3 39.17,119.28 38.8,118.91 v1(32.96,118.91) ; LED36.3 32.03,119.84 v1(32.96,118.91) ; LED9.3 31.55,85.57 v1(30.58,85.57) 29.91,86.24 C19.1 ; C1.1 40.52,222.93 C2.1 40.91,225.64 40.91,227.95 41.74,228.78 U1.1 ; C28.1 75.96,68.76 v1(75.82,68.9) 75.37,68.9 LED18.3 ; C18.1 10.86,86.24 v1(11.53,85.57) 12.5,85.57 LED8.3 ; v1(44.06,199.55) v1(44.06,197.85) 44.06,197.02 44.63,196.46 45.43,196.46 U2.35 ; 31.29,135.98 31.64,135.62 J4.4 ; LED6.3 37.27,107 v1(37.72,107) 37.86,106.86 C16.1 ; LED21.3 18.22,68.9 v1(18.67,68.9) 18.81,68.76 C25.1 ; R5.1 17.99,185.28 C9.2 18.89,186.18 18.89,189.59 18.45,190.04 Q1.2
